# Altium PCB Autopilot_v0.PcbDoc (continued)
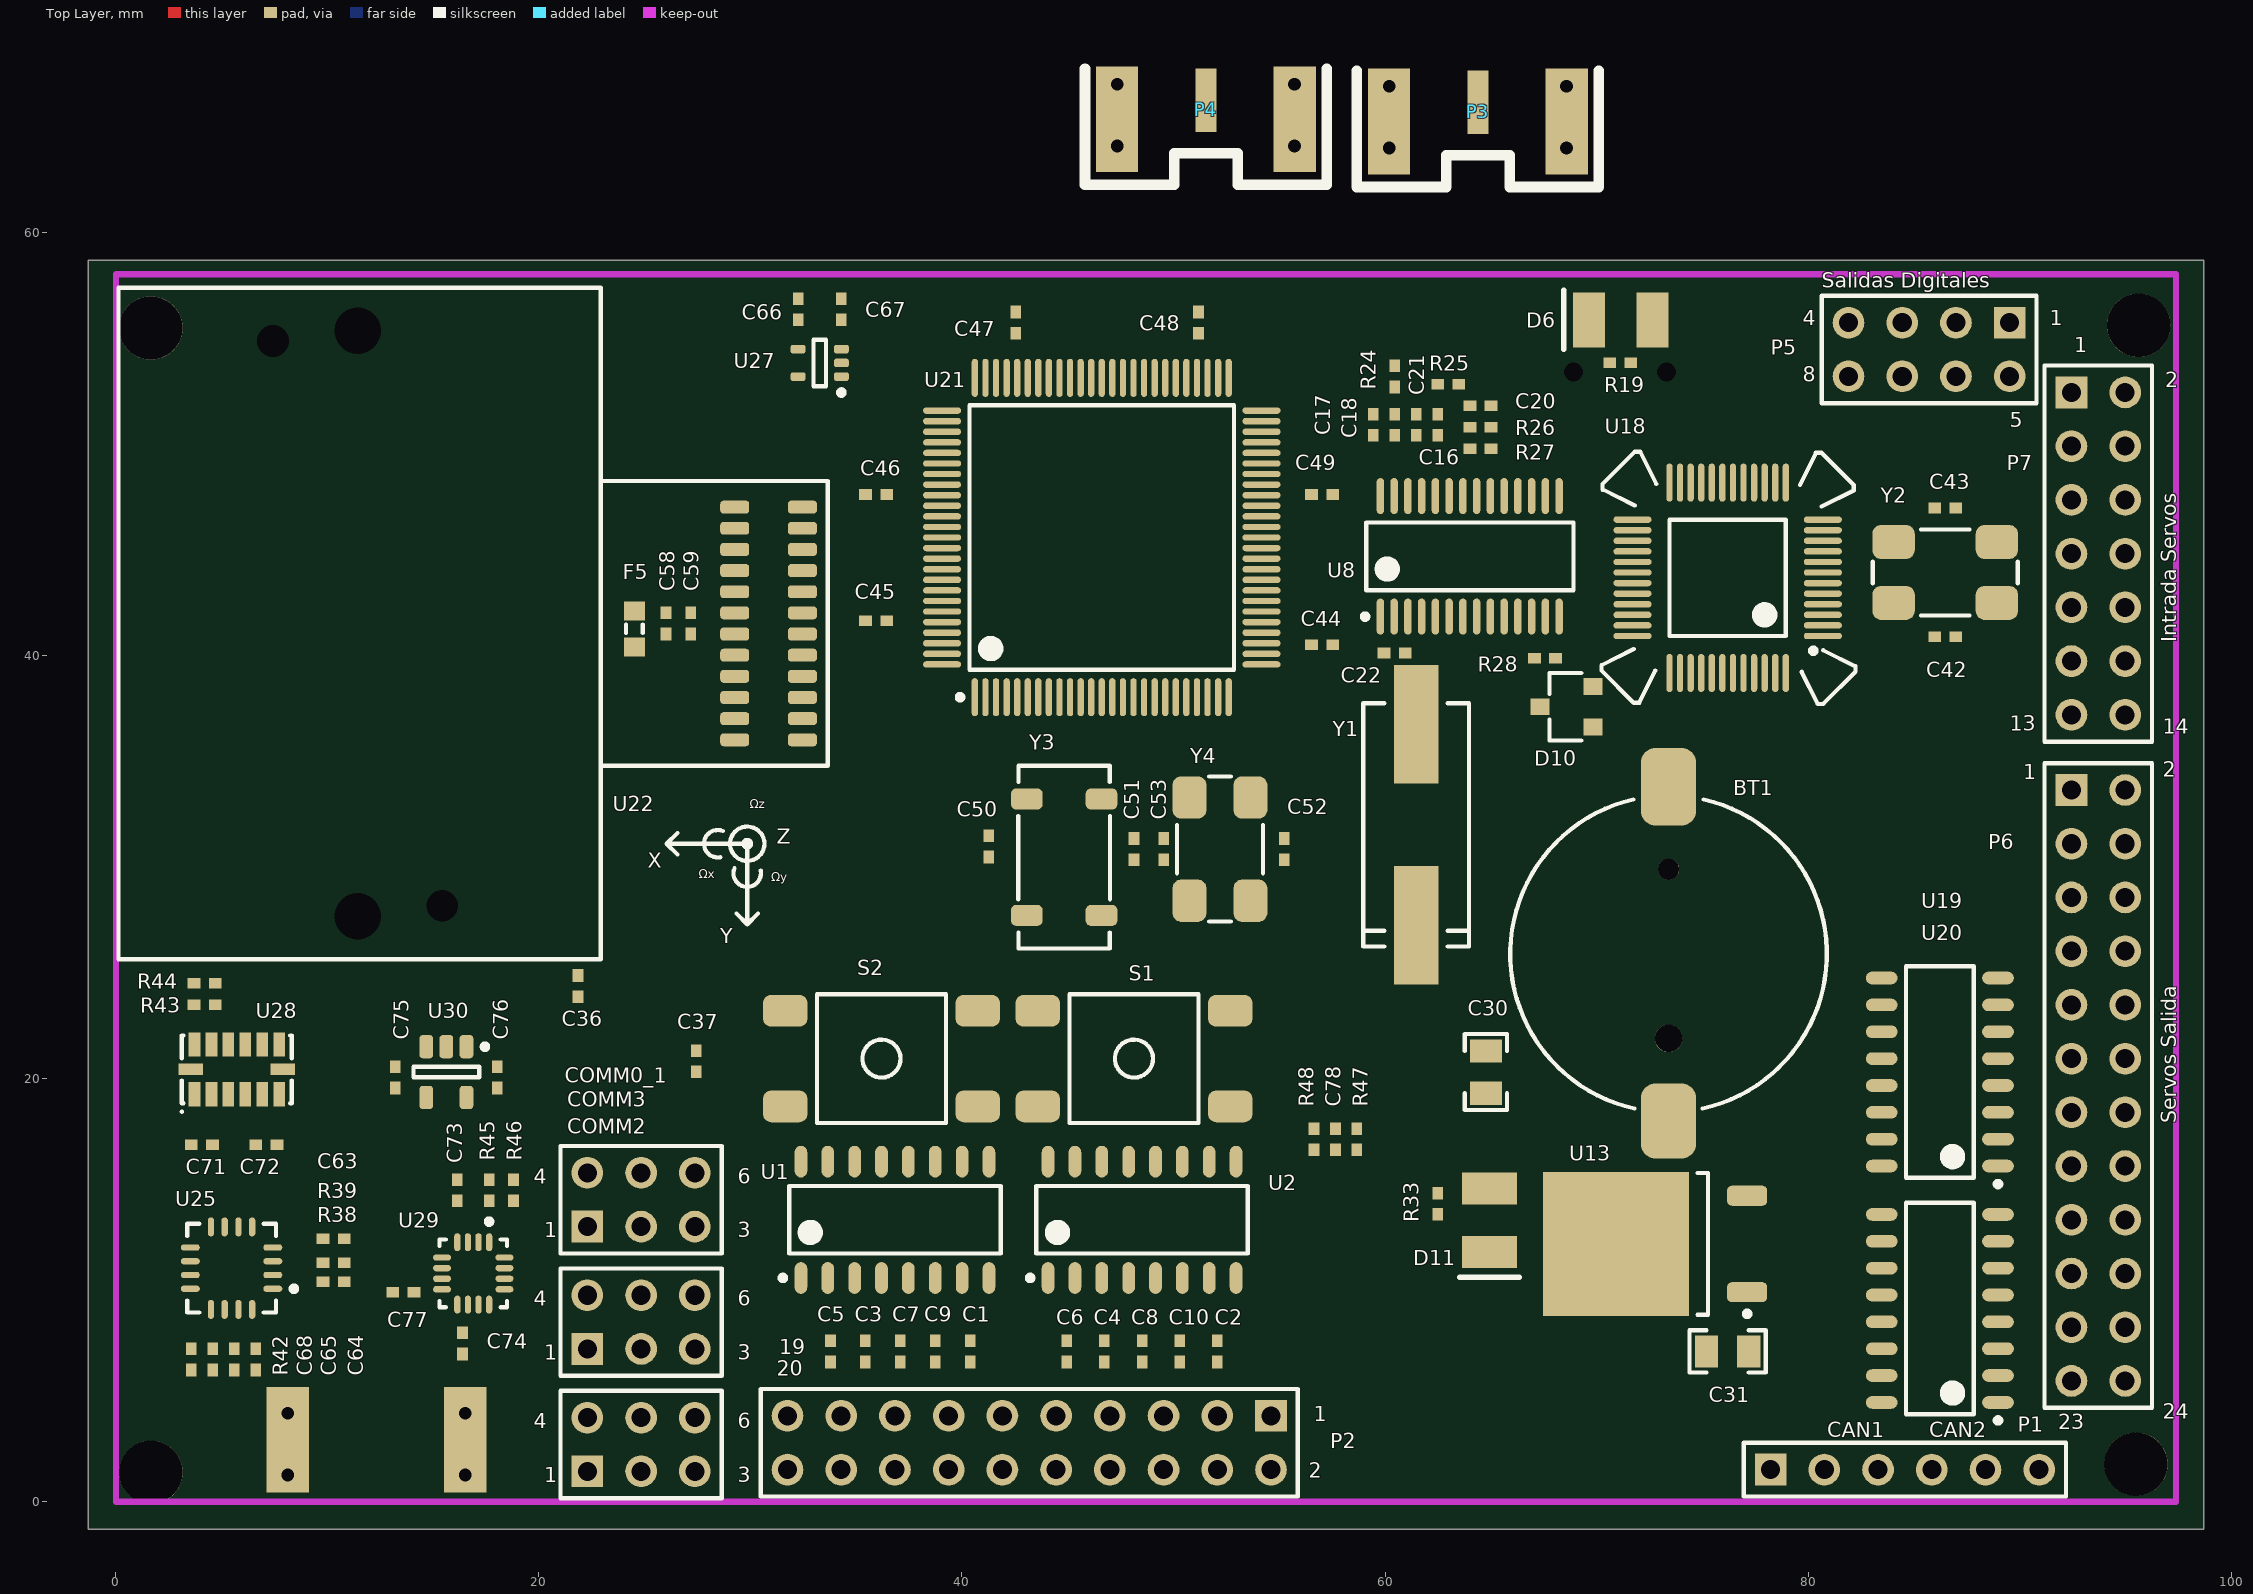
[diagram p0: Top Layer view]
## Components (designator, comment, footprint, x,y, rotation, side; value= is the part's Value field where it differs from the comment)
BT1 "Battery" BC501SM 73.406,25.908 r270 top
C1 "Capacitor" CAP0402 40.386,7.112 r90 top
C2 "Capacitor" CAP0402 52.07,7.112 r90 top
C3 "Capacitor" CAP0402 35.433,7.112 r90 top
C4 "Capacitor" CAP0402 46.736,7.112 r90 top
C5 "Capacitor" CAP0402 33.782,7.112 r90 top
C6 "Capacitor" CAP0402 44.958,7.112 r90 top
C7 "Capacitor" CAP0402 37.084,7.112 r270 top
C8 "Capacitor" CAP0402 48.514,7.112 r90 top
C9 "Capacitor" CAP0402 38.735,7.112 r90 top
C10 "Capacitor" CAP0402 50.292,7.112 r90 top
C11 "Capacitor" CAP0402 47.371,12.954 r180 bottom
C12 "Capacitor" CAP0402 47.371,9.779 r180 bottom
C13 "Capacitor" CAP0402 79.248,13.589 r0 bottom
C14 "Capacitor" CAP0402 85.344,13.589 r0 bottom
C15 "Capacitor" CAP0402 24.384,21.844 r90 bottom
C16 "Capacitor" CAP0402 62.484,50.927 r90 top
C17 "Capacitor" CAP0402 59.436,50.927 r270 top
C18 "Capacitor" CAP0402 60.452,50.927 r270 top
C19 "Capacitor" CAP0402 46.355,57.15 r0 bottom
C20 "Capacitor" CAP0402 64.516,51.816 r180 top
C21 "Capacitor" CAP0402 61.468,50.927 r270 top
C22 "Capacitor" CAP0402 60.452,40.132 r0 top
C23 "Capacitor" 0805_CAP 48.26,33.528 r0 bottom
C24 "Capacitor" 0805_CAP 41.656,27.94 r90 bottom
C25 "Capacitor" 0805_CAP 72.898,27.305 r270 bottom
C26 "Capacitor" 0805_CAP 66.167,6.096 r90 bottom
C30 "Capacitor" 0805_CAP 64.77,20.32 r90 top
C31 "Capacitor" 0805_CAP 76.2,7.112 r0 top
C32 "Capacitor" CAP0402 28.898,54.031 r270 bottom
C33 "Capacitor" CAP0402 33.978,54.031 r90 bottom
C34 "Capacitor" CAP0402 24.384,53.848 r90 bottom
C35 "Capacitor" CAP0402 19.304,53.848 r270 bottom
C36 "Capacitor" CAP0402 21.844,24.384 r270 top
C37 "Capacitor" CAP0402 27.432,20.828 r90 top
C38 "Capacitor" CAP0402 36.703,55.118 r270 bottom
C39 "Capacitor" CAP0402 35.687,55.118 r270 bottom
C40 "Capacitor" CAP0402 41.22,55.246 r270 bottom
C41 "Capacitor" CAP0402 42.037,55.245 r270 bottom
C42 "Capacitor" CAP0402 86.487,40.894 r180 top
C43 "Capacitor" CAP0402 86.487,46.99 r180 top
C44 "Capacitor" CAP0402 57.023,40.513 r180 top
C45 "Capacitor" CAP0402 35.941,41.656 r0 top
C46 "Capacitor" CAP0402 35.941,47.625 r0 top
C47 "Capacitor" CAP0402 42.545,55.753 r270 top
C48 "Capacitor" CAP0402 51.181,55.753 r270 top
C49 "Capacitor" CAP0402 57.023,47.625 r180 top
C50 "Capacitor" CAP0402 41.275,30.988 r90 top
C51 "Capacitor" CAP0402 48.133,30.861 r90 top
C52 "Capacitor" CAP0402 55.245,30.861 r270 top
C53 "Capacitor" CAP0402 49.53,30.861 r270 top
C54 "Capacitor" CAP0402 23.876,50.292 r180 bottom
C55 "Capacitor" CAP0402 23.846,48.671 r180 bottom
C56 "Capacitor" CAP0402 26.416,51.816 r0 bottom
C57 "Capacitor" CAP0402 26.416,48.768 r180 bottom
C58 "Capacitor" CAP0402 26.005,41.529 r90 top
C59 "Capacitor" CAP0402 27.178,41.529 r90 top
C60 "Capacitor" CAP0402 12.192,51.816 r180 bottom
C61 "Capacitor" CAP0402 16.256,54.356 r0 bottom
C62 "Capacitor" CAP0402 16.256,51.308 r180 bottom
C63 "Capacitor" CAP0402 10.287,12.446 r180 top
C64 "Capacitor" CAP0402 6.604,6.731 r90 top
C65 "Capacitor" CAP0402 5.588,6.731 r90 top
C66 "Capacitor" CAP0402 32.258,56.388 r270 top
C67 "Capacitor" CAP0402 34.29,56.388 r270 top
C68 "Capacitor" CAP0402 4.572,6.731 r90 top
C69 "Capacitor" CAP0402 2.951,20.163 r0 bottom
C70 "Capacitor" CAP0402 2.951,19.304 r0 bottom
C71 "Capacitor" CAP0402 4.064,16.891 r180 top
C72 "Capacitor" CAP0402 7.112,16.891 r0 top
C73 "Capacitor" CAP0402 16.129,14.732 r90 top
C74 "Capacitor" CAP0402 16.383,7.493 r270 top
C75 "Capacitor" CAP0402 13.208,20.066 r90 top
C76 "Capacitor" CAP0402 18.034,20.066 r270 top
C77 "Capacitor" CAP0402 13.589,9.906 r0 top
C78 "Capacitor" CAP0402 57.658,17.145 r90 top
COMM0_1 "AP_COMM" HDR2X3_CEN 22.288,13.016 r0 top
COMM2 "AP_COMM" HDR2X3_CEN 22.288,1.44 r0 top
COMM3 "AP_COMM" HDR2X3_CEN 22.288,7.228 r0 top
D1 "BAS316" SOD-323 34.671,13.526 r180 bottom
D2 "BAS316" SOD-323 34.671,11.525 r0 bottom
D3 "BAS316" SOD-323 34.671,9.525 r0 bottom
D4 "BAS316" SOD-323 34.671,15.526 r0 bottom
D5 "BAS316" SOD-323 34.671,17.526 r0 bottom
D6 "LED" PLCC-2Rojo 72.644,55.88 r90 top
D7 "PMEG3050EP" SOD128 71.12,6.604 r0 bottom
D8 "PMEG3050EP" SOD128 71.12,33.02 r270 bottom
D9 "PMEG3050EP" SOD128 56.896,10.668 r270 bottom
D10 "BAT54C" SOT23 68.58,37.592 r90 top
D11 "LED" PLCC-2Rojo 64.942,14.816 r180 top
F1 "Ferrita" IND0603 35.502,51.999 r180 bottom
F2 "Ferrita" IND0603 25.4,55.88 r180 bottom
F3 "Ferrita" IND0603 39.116,54.102 r0 bottom
F4 "Ferrita" IND0603 39.116,56.134 r0 bottom
F5 "Ferrita" IND0603 24.511,41.275 r90 top
F6 "Ferrita" IND0603 2.667,21.336 r0 bottom
Ind1 "Ind2" CDRH127 61.468,27.94 r90 bottom
P1 "CAN" HDR1X6 78.232,1.524 r0 top
P2 "JTAG" HDR2X10 54.61,4.064 r180 top
P3 "SMA2" SMAL22 64.389,66.167 r0 top
P4 "SMA2" SMAL22 51.532,66.264 r0 top
P5 "DIG_OUT" HDR2X4_CEN 89.535,55.753 r180 top
P6 "ServosOut" "HDR 2X12" 92.456,33.655 r270 top
P7 "ServoIn" HDR2X7 92.456,52.451 r270 top
P8 "SMA2" SMAL22 12.319,2.032 r0 bottom
Q1 "BC847B" SOT23 39.497,11.176 r0 bottom
Q2 "BC847B" SOT23 43.434,11.176 r0 bottom
Q3 "BC847B" SOT23 39.497,15.621 r0 bottom
Q4 "BC847B" SOT23 43.434,15.621 r0 bottom
Q5 "BC807" SOT23 78.74,53.34 r0 bottom
R1 "Resistor" RES0402 30.607,13.462 r180 bottom
R2 "Resistor" RES0402 47.371,10.787 r180 bottom
R3 "Resistor" RES0402 47.371,11.846 r0 bottom
R4 "Resistor" RES0402 30.607,11.43 r0 bottom
R5 "Resistor" RES0402 30.607,9.398 r180 bottom
R6 "Resistor" RES0402 30.607,15.494 r180 bottom
R7 "Resistor" RES0402 30.607,17.526 r180 bottom
R8 "Resistor" RES0402 79.248,4.699 r0 bottom
R9 "Resistor" RES0402 52.041,7.239 r270 bottom
R10 "Resistor" RES0402 49.493,7.239 r270 bottom
R11 "Resistor" RES0402 46.99,7.239 r270 bottom
R12 "Resistor" RES0402 44.45,7.239 r270 bottom
R13 "Resistor" RES0402 70.231,45.974 r270 bottom
R14 "Resistor" RES0402 71.247,45.974 r270 bottom
R15 "Resistor" RES0402 78.74,50.8 r0 bottom
R16 "Resistor" RES0402 85.344,4.699 r0 bottom
R17 "Resistor" RES0402 79.756,56.388 r90 bottom
R18 "Resistor" RES0402 77.724,56.388 r90 bottom
R19 "Resistor" RES0402 71.12,53.848 r0 top
R20 "Resistor" RES0402 41.91,7.239 r90 bottom
R21 "Resistor" RES0402 39.37,7.239 r90 bottom
R22 "Resistor" RES0402 34.29,7.239 r90 bottom
R23 "Resistor" RES0402 31.75,7.239 r90 bottom
R24 "Resistor" RES0402 60.452,53.213 r90 top
R25 "Resistor" RES0402 62.992,52.832 r180 top
R26 "Resistor" RES0402 64.516,50.8 r180 top
R27 "Resistor" RES0402 64.516,49.784 r180 top
R28 "Resistor" RES0402 67.564,39.878 r0 top
R29 "Resistor" 0805_RES 71.882,24.384 r0 bottom
R30 "Resistor" 0805_RES 70.866,27.305 r90 bottom
R31 "Resistor" 0805_RES 64.135,6.096 r90 bottom
R32 "Resistor" 0805_RES 62.103,6.096 r90 bottom
R33 "Resistor" RES0402 62.484,14.097 r90 top
R34 "Resistor" RES0402 26.416,49.784 r0 bottom
R35 "Resistor" RES0402 26.416,50.8 r180 bottom
R36 "Resistor" RES0402 16.256,52.324 r0 bottom
R37 "Resistor" RES0402 16.256,53.34 r180 bottom
R38 "Resistor" RES0402 10.287,10.414 r180 top
R39 "Resistor" RES0402 10.287,11.303 r180 top
R40 "Resistor" RES0402 2.54,16.383 r0 bottom
R41 "Resistor" RES0402 2.54,17.399 r0 bottom
R42 "Resistor" RES0402 3.556,6.731 r90 top
R43 "Resistor" RES0402 4.191,23.495 r180 top
R44 "Resistor" RES0402 4.191,24.511 r180 top
R45 "Resistor" RES0402 17.653,14.732 r90 top
R46 "Resistor" RES0402 18.796,14.732 r90 top
R47 "Resistor" RES0402 58.674,17.145 r90 top
R48 "Resistor" RES0402 56.642,17.145 r270 top
S1 "SW-PB" "SW-PB6mm - 2" 48.133,20.955 r0 top
S2 "SW-PB" "SW-PB6mm - 2" 36.195,20.955 r0 top
U1 "MAX3232ESE" SOIC127P602-16BN 36.83,13.335 r90 top
U2 "MAX3232ESE" SOIC127P602-16BN 48.514,13.335 r90 top
U3 "SN65HVD230" SOIC127P600-8CN 79.248,9.144 r270 bottom
U4 "USB" USB/SM0.8-6H5 71.12,58.674 r90 bottom
U5 "SN65HVD230" SOIC127P600-8CN 85.344,9.144 r270 bottom
U6 "AT45DB161D" SOIC127P600-8CN 28.829,23.114 r180 bottom
U7 "NC7S32" SOT23-5BN 34.925,22.098 r180 bottom
U8 "MAX7456EUI+" TSOP65P640-28AN 64.008,44.704 r90 top
U9 "MicroSD" 101-00303 56.642,49.403 r180 bottom
U10 "NC7S32" SOT23-5BN 45.847,54.356 r0 bottom
U11 "LP38690DT" TO252-3N 46.736,26.416 r270 bottom
U12 "LM2596" "TO-263 - LM2596" 65.024,14.732 r90 bottom
U13 "LP38690DT" TO252-3N 72.771,12.192 r180 top
U14 "LP2980" SOT23-5BN 31.438,53.523 r90 bottom
U15 "LP2980" SOT23-5BN 21.844,54.864 r270 bottom
U17 "SN74CBT16211" SOP635P1035-56N 83.82,25.908 r0 bottom
U18 "LPC1313FBD48/01" TQFP48_LPC1343 76.2,43.688 r90 top
U19 "CD4017BNSR" SOIC127P602-16BN 86.233,20.32 r180 top
U20 "CD4017BNSR" SOIC127P602-16BN 86.233,9.144 r180 top
U21 "LPC1768" "SOT407-1 LPC1768" 46.609,45.593 r0 top
U22 "ADIS16405" ADIS16405 19.939,41.529 r90 top
U23 "MPXH6115A" SSOP1317 24.003,41.402 r270 bottom
U24 "MPXV5004A" "SSOP1351 - MPXV5004DP" 13.208,40.64 r270 bottom
U25 "L3G4200D" "QFN65P400X400-16 - L3G4200D" 5.465,11.049 r180 top
U26 "SKG12A" SKG12A 12.827,15.113 r270 bottom
U27 "MCP9700A" SOT353-5AN 33.274,53.848 r180 top
U28 "ADXL345" LGA80P500X300-14N 5.715,20.447 r180 top
U29 "HMC5883L" QFN50P300X300-16-HMC 16.891,10.799 r270 top
U30 "LP2980" SOT23-5BN 15.621,20.32 r270 top
Y1 "27MHz" HC/49US 61.468,32.004 r90 top
Y2 "SX6035" SX6035 86.487,43.942 r0 top
Y3 "XTAL32" XTAL32 44.831,30.48 r90 top
Y4 "SX6035" SX6035 52.197,30.861 r90 top

## Footprints (in the part's own frame and the unit in brackets; to place one, negate y for a bottom-side part, rotate by r counter-clockwise, add the part's x,y. Pads: shape width x height; smd on the part's side, far side on the other; paste and mask are expansions set on the pad)
101-00303 [mm] "Micro SD Card Conn"
  rrect50% 1.1x1.5 smd: 0(-6.8,-2.53) 0(6.8,-2.53) 1(-6.8,5.87) 1(6.8,5.87)
  rrect50% 0.6x1.05 smd: 1(-4.53,0) 2(-3.43,0) 3(-2.33,0) 4(-1.23,0) 5(-0.13,0) 6(0.97,0) 7(2.07,0) 8(3.17,0)
  silkscreen extent -6.86,-3.83 6.86,9.47
0805_CAP [mm] "epf"
  rect 1.1x1.5 smd: 1(-1,0) 2(1,0)
  silkscreen extent -1.8,-1 1.8,1, body extent -1,-0.62 1,0.63, height 0.78
0805_RES [mm]
  rect 1.1x1.5 smd: 1(-1,0) 2(1,0)
  silkscreen extent -1.8,-1 1.8,1, body extent -1,-0.62 1,0.63, height 0.78
ADIS16405 [mm]
  round 1 hole 2.2 unplated: 0(-13.85,8.516) 0(13.85,8.516)
  round 1 hole 1.5 unplated: 0(-13.35,4.516) 0(13.35,12.516)
  rrect50% 0.61x1.37 smd: 1(5.5,-12.515) 2(5.5,-9.315) 3(4.5,-12.515) 4(4.5,-9.315) 5(3.5,-12.515) 6(3.5,-9.315) 7(2.5,-12.515) 8(2.5,-9.315) 9(1.5,-12.515) 10(1.5,-9.315) 11(0.5,-12.515) 12(0.5,-9.315) 13(-0.5,-12.515) 14(-0.5,-9.315) 15(-1.5,-12.515) 16(-1.5,-9.315) 17(-2.5,-12.515) 18(-2.5,-9.315) 19(-3.5,-12.515) 20(-3.5,-9.315) 21(-4.5,-12.515) 22(-4.5,-9.315) 23(-5.5,-12.515) 24(-5.5,-9.315)
  silkscreen extent -15.88,-13.72 15.88,19.82, body extent -15.85,-13.71 15.85,19.8, height 23.29
BC501SM [mm]
  round 1 hole 1 unplated: 0(-4,0)
  round 1.3 hole 1.3 unplated: 0(4,0)
  rrect50% 3.66x2.6 smd: 1(-7.9,0)
  rrect50% 3.54x2.6 smd: 2(7.9,0)
  silkscreen extent -7.3,-7.48 7.31,7.48
CAP0402 [mm] "Chip Capacitor, Body 1.0x0.5mm, IPC High Density"
  rect 0.6x0.5 smd: 1(-0.5,0) 2(0.5,0)
  body extent -0.5,-0.25 0.5,0.25, height 0.3
CDRH127 [mm]
  rrect50% 6x4 smd: 1(0,-5.5) 2(0,5.5)
  silkscreen extent -6.22,-6.35 6.22,6.35, body extent -6,-6.17 6,6.17, height 7.4
HC/49US [mm] "Quartz Crystal, SM; 2 Leads; Body 11.4 x 4.8 x 5 mm (LxWxH)"
  rect 5.6x2.1 smd: 1(-4.75,0) 2(4.75,0)
  silkscreen extent -5.75,-2.5 5.75,2.5, body extent -6.26,-2.4 6.24,2.4, height 4.02
HDR1X6 [mm] "Connector; Header; 6 Position"
  rect 1.5x1.5 hole 0.9: 1(0,0)
  round 1.5 hole 0.9: 2(2.54,0) 3(5.08,0) 4(7.62,0) 5(10.16,0) 6(12.7,0)
  silkscreen extent -1.27,-1.27 13.97,1.27, body extent -1.27,-1.25 13.97,1.25, height 8.55
HDR2X3_CEN [mm] "Connector; Header; 3x2 Position"
  rect 1.5x1.5 hole 0.9: 1(0,0)
  round 1.5 hole 0.9: 2(2.54,0) 3(5.08,0) 4(0,2.54) 5(2.54,2.54) 6(5.08,2.54)
  silkscreen extent -1.27,-1.27 6.35,3.81, body extent -1.27,-1.27 6.33,3.81, height 8.55
HDR2X4_CEN [mm] "Connector; Header; 4x2 Position"
  rect 1.5x1.5 hole 0.9: 1(0,0)
  round 1.5 hole 0.9: 2(2.54,0) 3(5.08,0) 4(7.62,0) 5(0,2.54) 6(2.54,2.54) 7(5.08,2.54) 8(7.62,2.54)
  silkscreen extent -1.27,-1.27 8.89,3.81, body extent -1.27,-1.25 8.89,3.79, height 8.55
HDR2X7 [mm] "Connector; Header; 7x2 Position"
  rect 1.5x1.5 hole 0.9: 1(0,0)
  round 1.5 hole 0.9: 2(0,2.54) 3(2.54,0) 4(2.54,2.54) 5(5.08,0) 6(5.08,2.54) 7(7.62,0) 8(7.62,2.54) 9(10.16,0) 10(10.16,2.54) 11(12.7,0) 12(12.7,2.54) 13(15.24,0) 14(15.24,2.54)
  silkscreen extent -1.27,-1.27 16.51,3.81, body extent -1.27,-1.27 16.49,3.81, height 8.55
HDR2X10 [mm] "Connector; Header; 10x2 Position"
  rect 1.5x1.5 hole 0.9: 1(0,0)
  round 1.5 hole 0.9: 2(0,2.54) 3(2.54,0) 4(2.54,2.54) 5(5.08,0) 6(5.08,2.54) 7(7.62,0) 8(7.62,2.54) 9(10.16,0) 10(10.16,2.54) 11(12.7,0) 12(12.7,2.54) 13(15.24,0) 14(15.24,2.54) 15(17.78,0) 16(17.78,2.54) 17(20.32,0) 18(20.32,2.54) 19(22.86,0) 20(22.86,2.54)
  silkscreen extent -1.27,-1.27 24.13,3.81, body extent -1.27,-1.25 24.13,3.79, height 8.55
"HDR 2X12" [mm] "Connector; Header; 12x2 Position"
  rect 1.5x1.5 hole 0.9: 1(0,0)
  round 1.5 hole 0.9: 2(0,2.54) 3(2.54,0) 4(2.54,2.54) 5(5.08,0) 6(5.08,2.54) 7(7.62,0) 8(7.62,2.54) 9(10.16,0) 10(10.16,2.54) 11(12.7,0) 12(12.7,2.54) 13(15.24,0) 14(15.24,2.54) 15(17.78,0) 16(17.78,2.54) 17(20.32,0) 18(20.32,2.54) 19(22.86,0) 20(22.86,2.54) 21(25.4,0) 22(25.4,2.54) 23(27.94,0) 24(27.94,2.54)
  silkscreen extent -1.27,-1.27 29.21,3.81, body extent -1.27,-1.25 29.21,3.79, height 8.55
IND0603 [mm] "Chip Resistor, Body 1.6x0.8mm, IPC Medium Density"
  rect 0.9x1 smd: 1(-0.85,0) 2(0.85,0)
  silkscreen extent -0.2,-0.4 0.2,0.4, body extent -0.8,-0.4 0.8,0.4, height 0.4
LGA80P500X300-14N [mm] "LGA, 14-Leads, Body 3x5x0.92mm, Pitch 0.8mm, IPC Medium Density"
  rect 0.55x1.145 smd: 1(2,1.175) 2(1.2,1.175) 3(0.4,1.175) 4(-0.4,1.175) 5(-1.2,1.175) 6(-2,1.175) 8(-2,-1.175) 9(-1.2,-1.175) 10(-0.4,-1.175) 11(0.4,-1.175) 12(1.2,-1.175) 13(2,-1.175)
  rect 1.145x0.55 smd: 7(-2.175,0) 14(2.175,0)
  silkscreen extent -2.6,-1.6 2.65,2.05, body extent -2.47,-1.49 2.53,1.51, height 1.03
PLCC-2Rojo [mm]
  rect 2.6x1.5 smd: 1(0,0) 2(0,3)
  silkscreen extent -1.4,4.2 1.4,4.2, body extent -1.4,-0.25 1.4,3.25, height 1.75
QFN50P300X300-16-HMC [mm] "QFN, 16-Leads, Body 3x3mm, Pitch 0.5mm, IPC Medium Density"
  oval 0.85x0.3 smd: 1(-1.475,0.75) 2(-1.475,0.25) 3(-1.475,-0.25) 4(-1.475,-0.75) 9(1.475,-0.75) 10(1.475,-0.25) 11(1.475,0.25) 12(1.475,0.75)
  oval 0.3x0.85 smd: 5(-0.75,-1.475) 6(-0.25,-1.475) 7(0.25,-1.475) 8(0.75,-1.475) 13(0.75,1.475) 14(0.25,1.475) 15(-0.25,1.475) 16(-0.75,1.475)
  silkscreen extent -2.57,-1.6 1.6,1.6, body extent -1.5,-1.5 1.5,1.5, height 0.93
"QFN65P400X400-16 - L3G4200D" [mm] "16-Pin Plastic Quad Flat No-Lead 0.65 mm Pitch"
  oval 0.9x0.3 smd: 1(-1.95,0.975) 2(-1.95,0.325) 3(-1.95,-0.325) 4(-1.95,-0.975) 9(1.95,-0.975) 10(1.95,-0.325) 11(1.95,0.325) 12(1.95,0.975)
  oval 0.3x0.9 smd: 5(-0.975,-1.95) 6(-0.325,-1.95) 7(0.325,-1.95) 8(0.975,-1.95) 13(0.975,1.95) 14(0.325,1.95) 15(-0.325,1.95) 16(-0.975,1.95)
  silkscreen extent -3.08,-2.1 2.1,2.1, body extent -2,-2.01 2.01,2, height 1.03
RES0402 [mm] "Chip Resistor, Body 1.1x0.5mm, IPC High Density"
  rect 0.6x0.5 smd: 1(-0.5,0) 2(0.5,0)
  body extent -0.5,-0.25 0.5,0.25, height 0.3
SKG12A [mm]
  rrect50% 0.8x2 smd: 1(-7,-5.975) 2(-5.9,-5.975) 3(-4.8,-5.975) 4(-3.7,-5.975) 5(-2.6,-5.975) 6(-1.5,-5.975) 7(-0.4,-5.975) 8(2.6,-5.975) 9(3.7,-5.975) 10(4.8,-5.975) 11(5.9,-5.975) 12(7,-5.975) 13(7,6.225) 14(5.9,6.225) 15(4.8,6.225) 16(3.7,6.225) 17(2.6,6.225) 18(-0.4,6.225) 19(-1.5,6.225) 20(-2.6,6.225) 21(-3.7,6.225) 22(-4.8,6.225) 23(-5.9,6.225) 24(-7,6.225)
  rrect50% 1.6x1.5 smd: 25(1.1,-6.225) 25(1.1,5.975)
  silkscreen extent -8.02,-8.06 7.99,6.22, body extent -8,-6.1 8,6.1, height 2.92
SMAL22 [mm]
  rect 2x5 smd: 0(-4.2,-0.9) 0(4.2,-0.9)
  rect 2x5 smd far side: 0(-4.2,-0.9) 0(4.2,-0.9)
  rect 1x3 smd: 1(0,0)
  silkscreen extent -5.71,-4 5.71,1.5, body extent -4.76,-2.57 4.76,11.26, height 4.06
SOD128 [mm]
  rrect50% 1.4x2.1 smd: 1(-2.2,0) 2(2.2,0)
  silkscreen extent -0.85,-0.75 0.85,0.75, body extent -2.6,-1.4 2.6,1.3, height 1.11
SOD-323 [mm] "SOD-323/SC-76; 2 Leads; Body 1.7 x 1.3 mm, (LxW)"
  rect 1.45x0.55 smd: 1(1.175,0) 2(-1.175,0)
  silkscreen extent -0.95,-0.75 0.95,0.75, body extent -1.3,-0.67 1.3,0.68, height 1.1
SOIC127P600-8CN [mm] "SOIC, 8-Leads, Body 4.9x3.9mm, Pitch 1.27mm, IPC Medium Density"
  rrect50% 1.5x0.6 smd: 1(-2.75,1.905)
  oval 1.5x0.6 smd: 2(-2.75,0.635) 3(-2.75,-0.635) 4(-2.75,-1.905) 5(2.75,-1.905) 6(2.75,-0.635) 7(2.75,0.635) 8(2.75,1.905)
  silkscreen extent -2.87,-2.5 1.6,2.88, body extent -3.02,-2.48 2.97,2.42, height 1.6
SOIC127P602-16BN [mm] "SOIC, 16-Leads, Body 9.9x3.9mm, Pitch 1.27mm, IPC Medium Density"
  oval 1.5x0.6 smd: 1(-2.75,4.445) 2(-2.75,3.175) 3(-2.75,1.905) 4(-2.75,0.635) 5(-2.75,-0.635) 6(-2.75,-1.905) 7(-2.75,-3.175) 8(-2.75,-4.445) 9(2.75,-4.445) 10(2.75,-3.175) 11(2.75,-1.905) 12(2.75,-0.635) 13(2.75,0.635) 14(2.75,1.905) 15(2.75,3.175) 16(2.75,4.445)
  silkscreen extent -2.87,-5 1.6,5.42, body extent -3,-5.1 3,5.1, height 1.7
SOP635P1035-56N [mm] "SOP, 56-Leads, Body 18.4x7.5mm, Pitch 0.635mm, IPC Medium Density"
  oval 2.05x0.4 smd: 1(-4.675,8.572) 2(-4.675,7.938) 3(-4.675,7.302) 4(-4.675,6.667) 5(-4.675,6.032) 6(-4.675,5.397) 7(-4.675,4.763) 8(-4.675,4.127) 9(-4.675,3.492) 10(-4.675,2.857) 11(-4.675,2.222) 12(-4.675,1.587) 13(-4.675,0.953) 14(-4.675,0.318) 15(-4.675,-0.318) 16(-4.675,-0.953) 17(-4.675,-1.587) 18(-4.675,-2.222) 19(-4.675,-2.857) 20(-4.675,-3.492) 21(-4.675,-4.127) 22(-4.675,-4.763) 23(-4.675,-5.397) 24(-4.675,-6.032) 25(-4.675,-6.667) 26(-4.675,-7.302) 27(-4.675,-7.938) 28(-4.675,-8.572) 29(4.675,-8.572) 30(4.675,-7.938) 31(4.675,-7.302) 32(4.675,-6.667) 33(4.675,-6.032) 34(4.675,-5.397) 35(4.675,-4.763) 36(4.675,-4.127) 37(4.675,-3.492) 38(4.675,-2.857) 39(4.675,-2.222) 40(4.675,-1.587) 41(4.675,-0.953) 42(4.675,-0.318) 43(4.675,0.318) 44(4.675,0.953) 45(4.675,1.587) 46(4.675,2.222) 47(4.675,2.857) 48(4.675,3.492) 49(4.675,4.127) 50(4.675,4.763) 51(4.675,5.397) 52(4.675,6.032) 53(4.675,6.667) 54(4.675,7.302) 55(4.675,7.938) 56(4.675,8.572)